# Altium PCB FPGA_Module.PcbDoc (part 1 of 5) (continued)
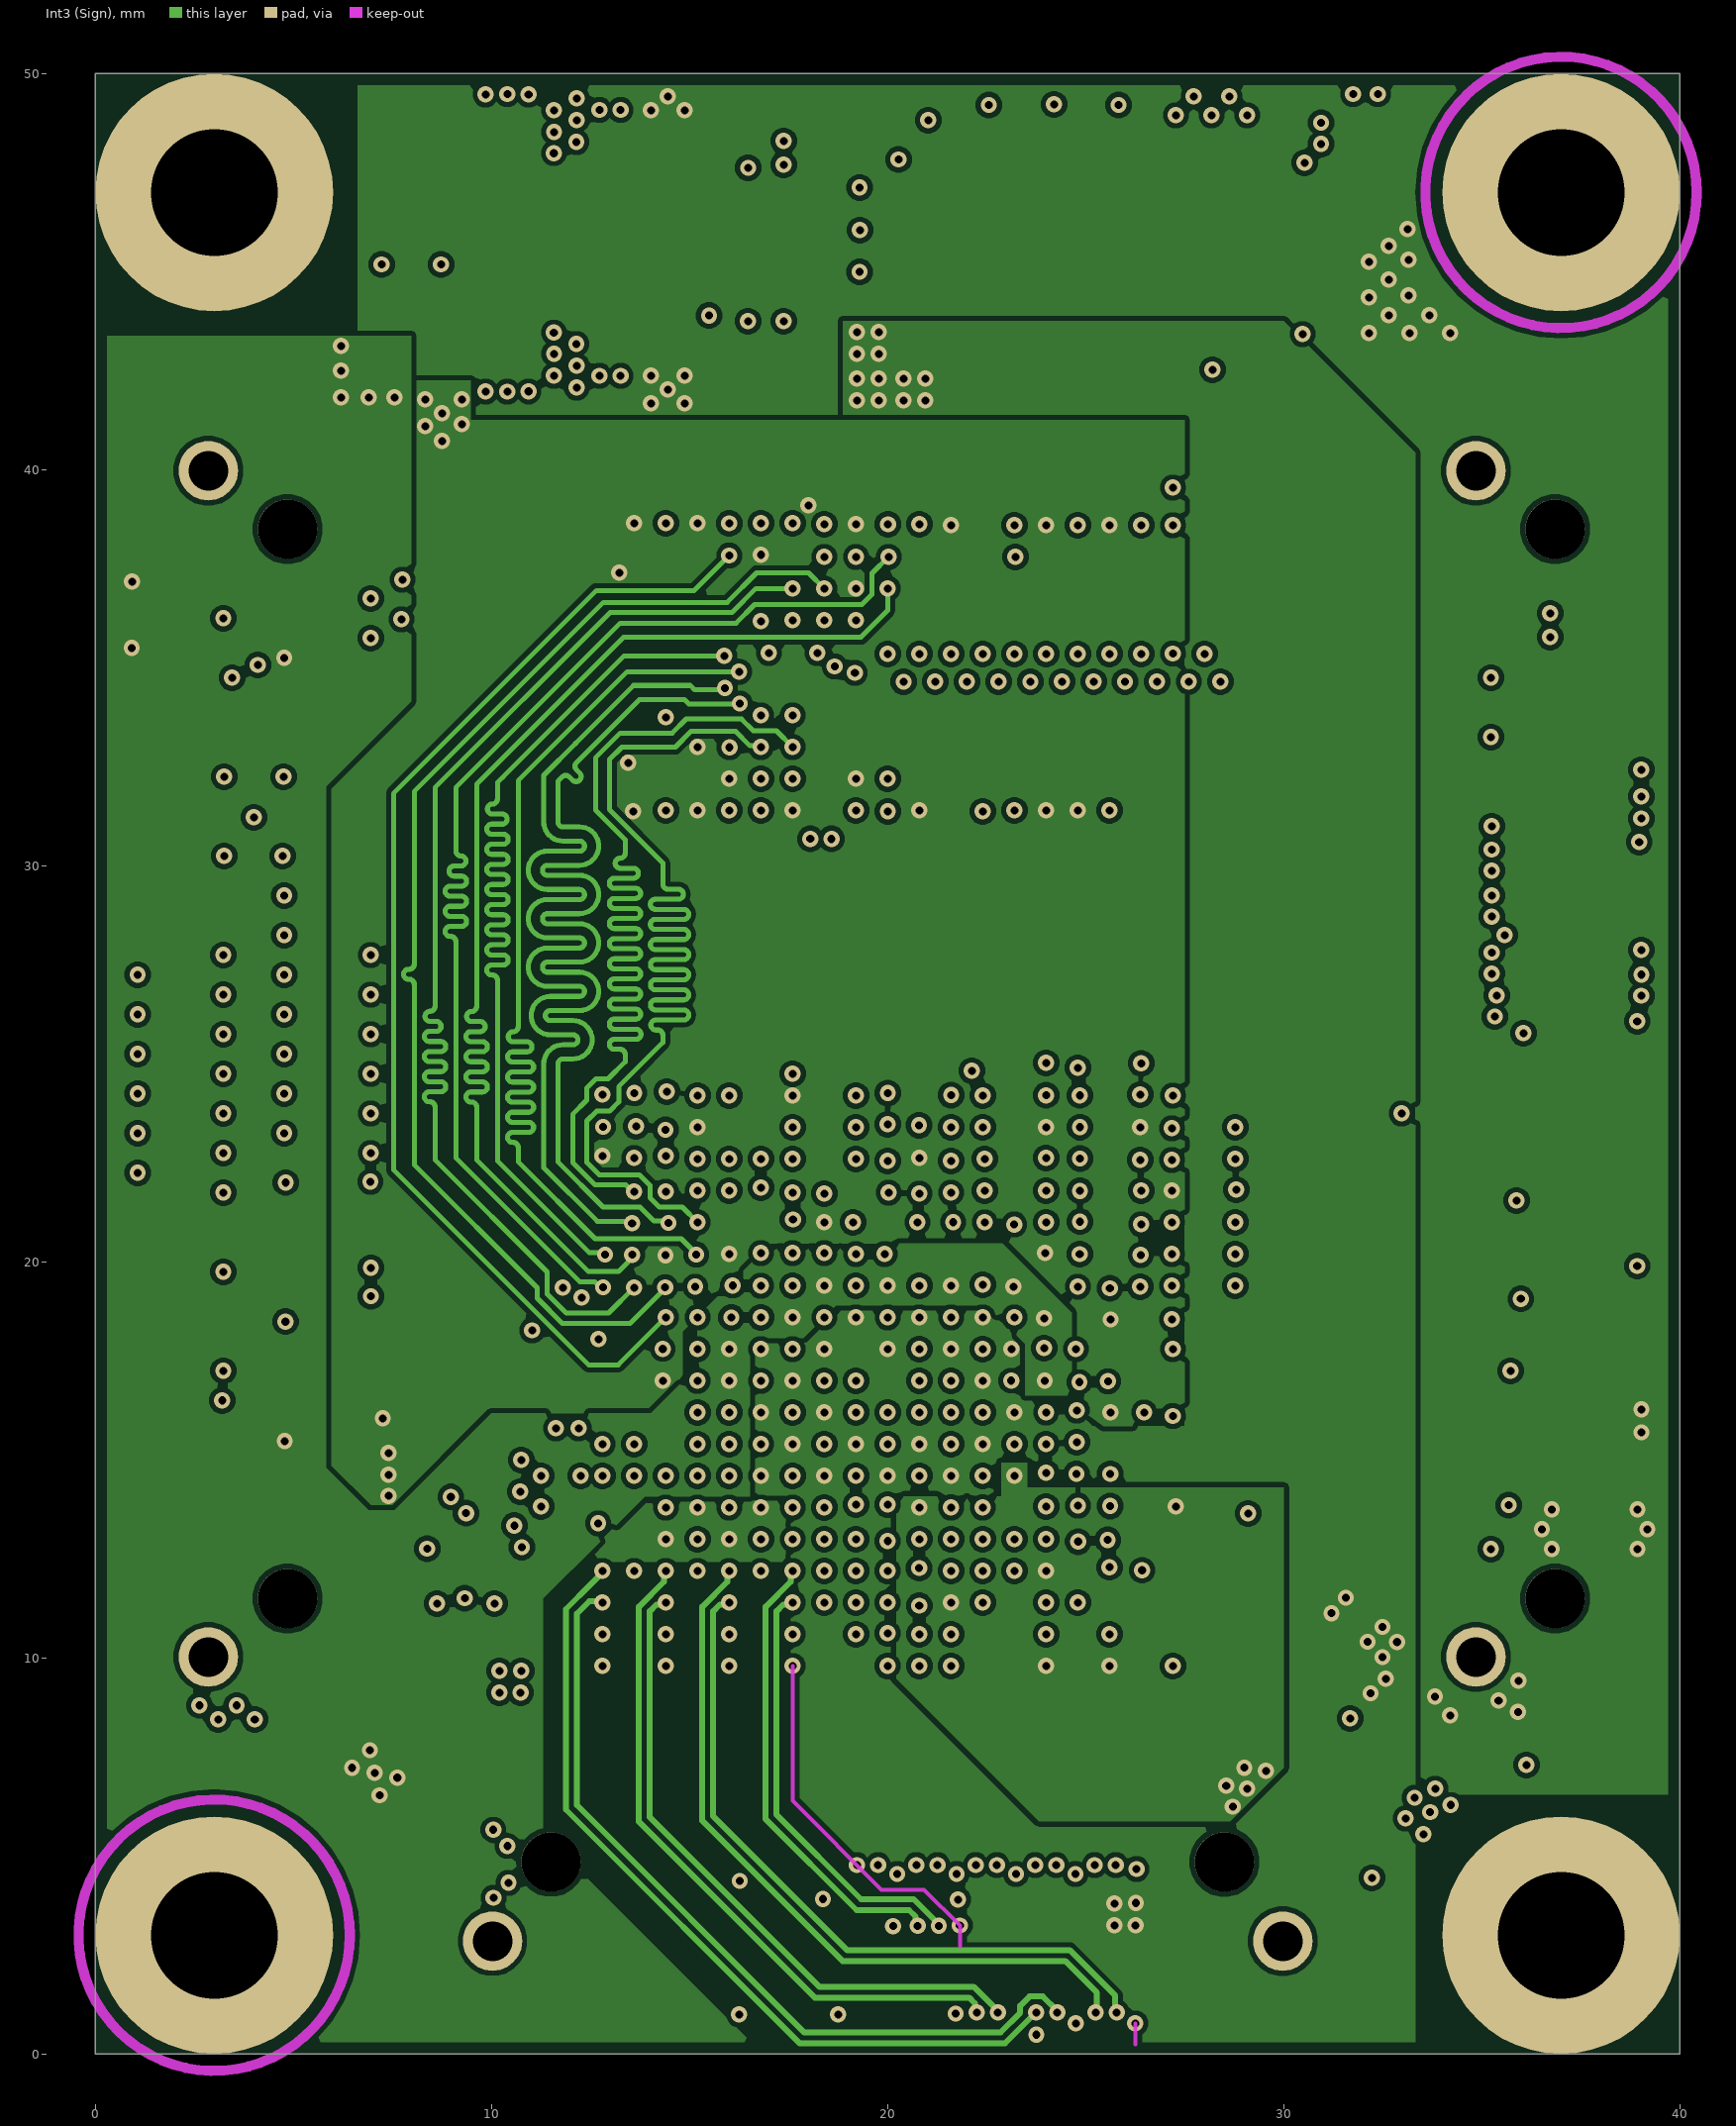
[diagram p4: Int3 (Sign)]
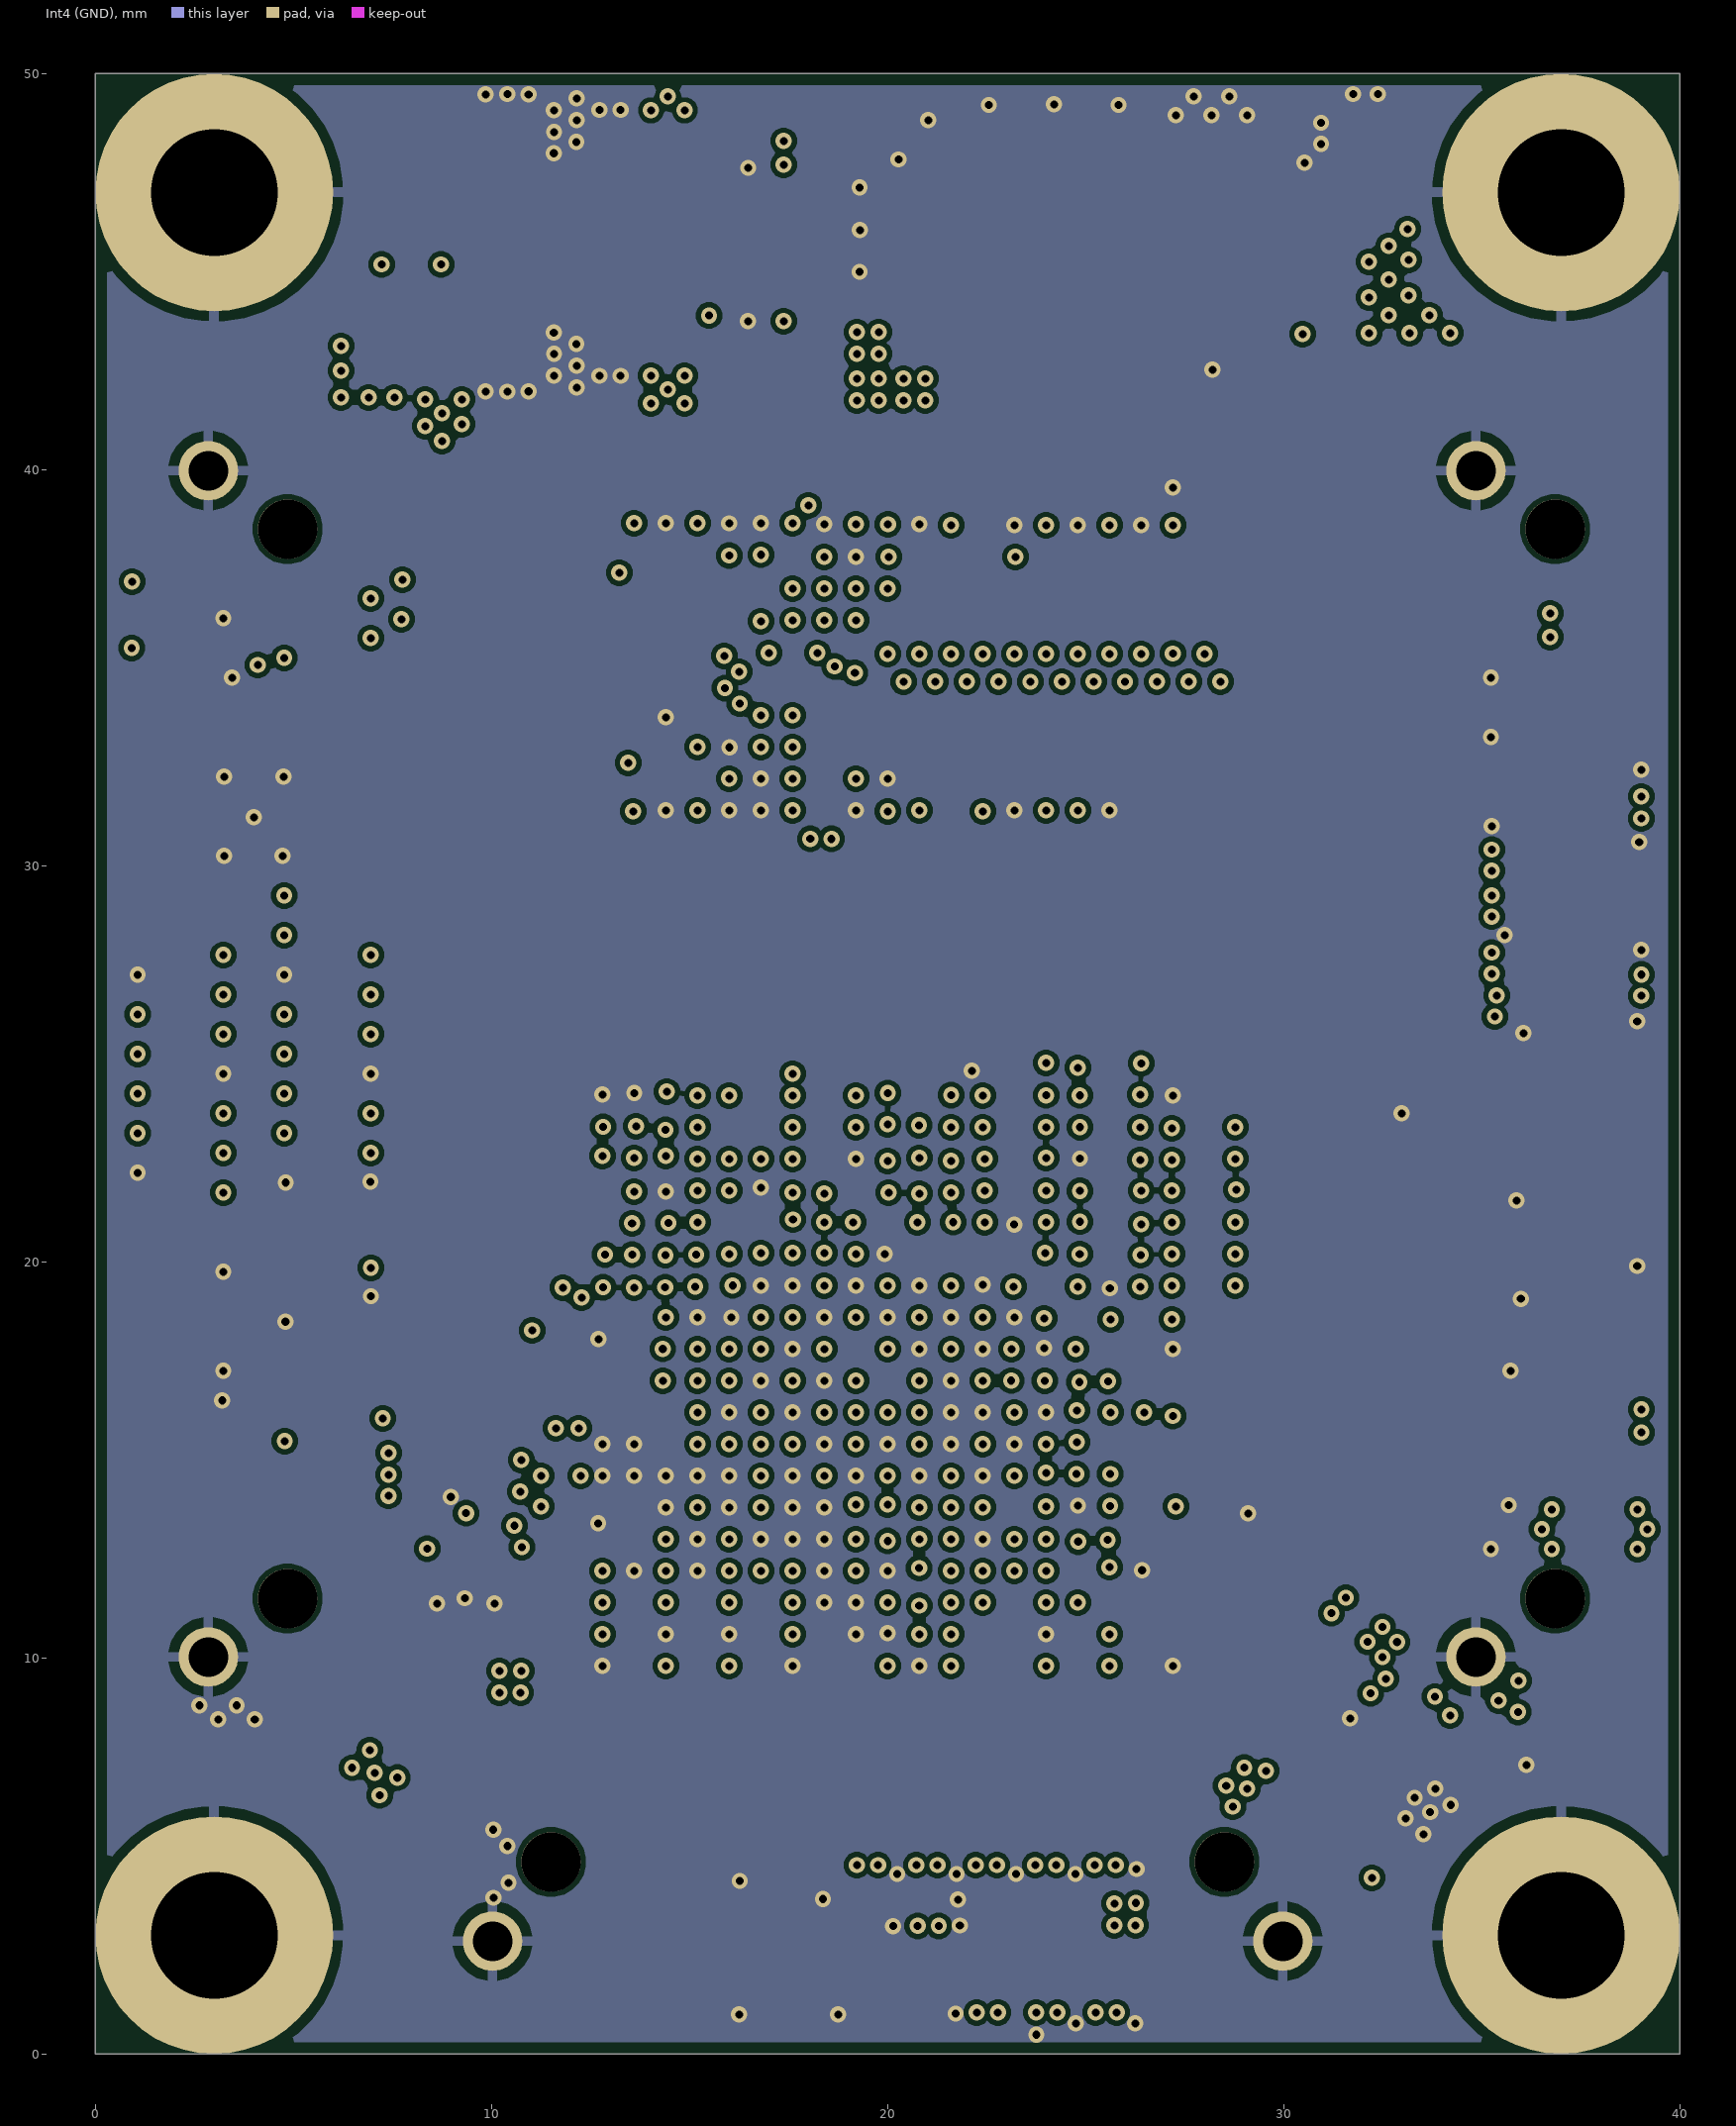
[diagram p5: Int4 (GND)]
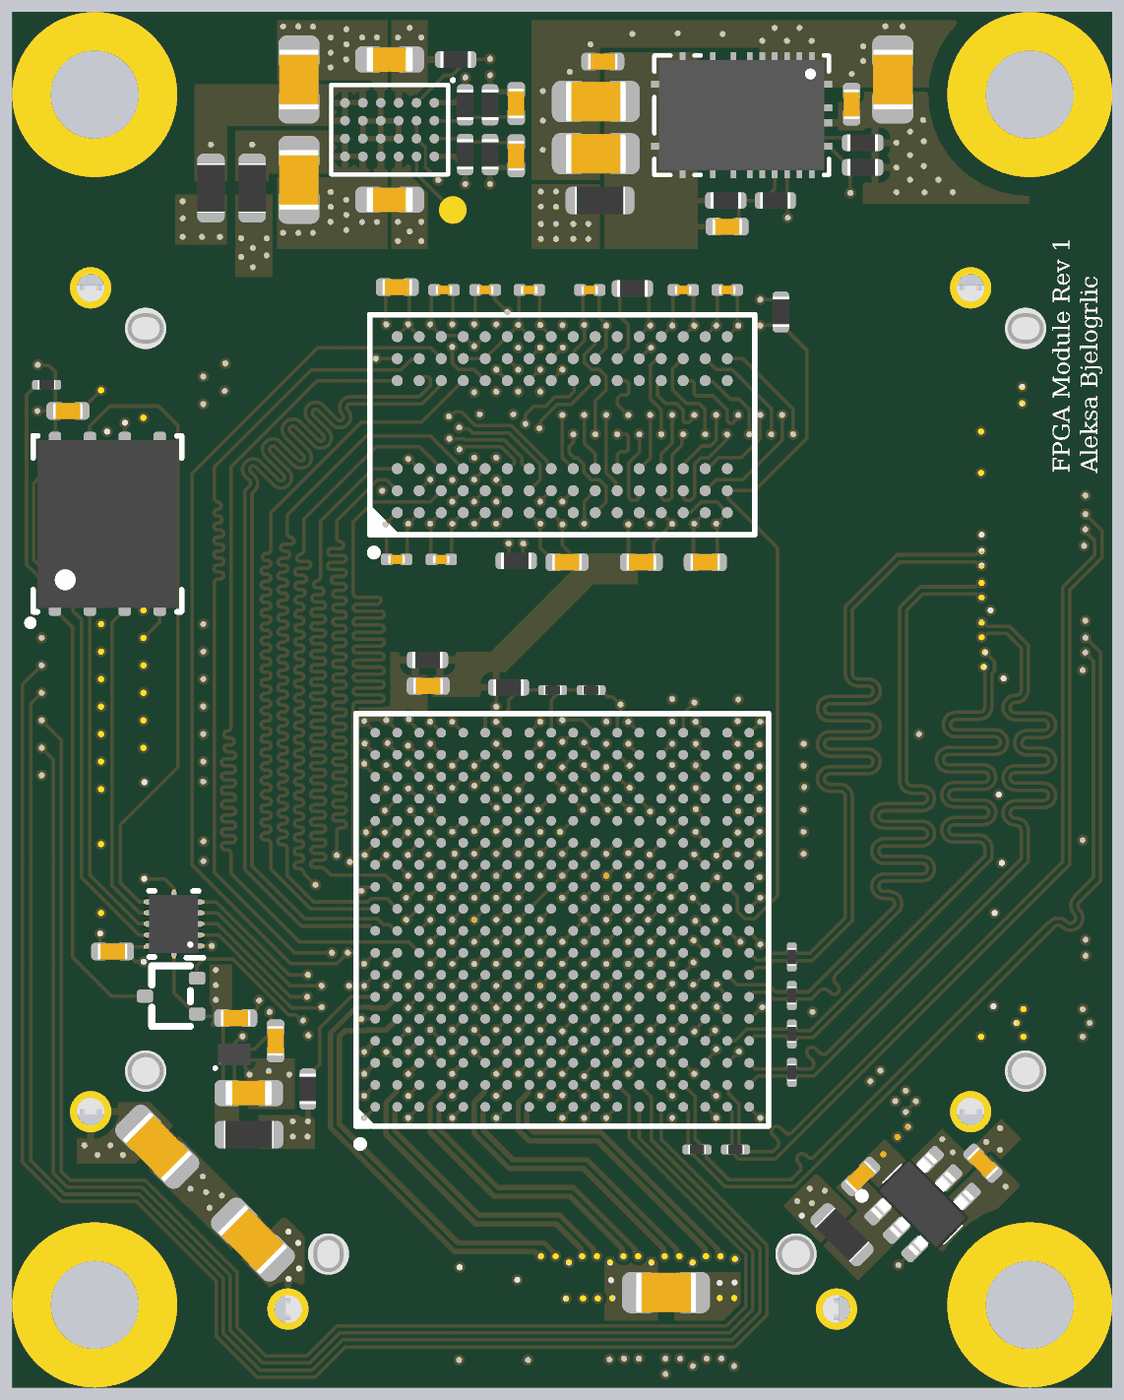
[diagram p10: 3D render of the assembled board from above, using the file's embedded part models]
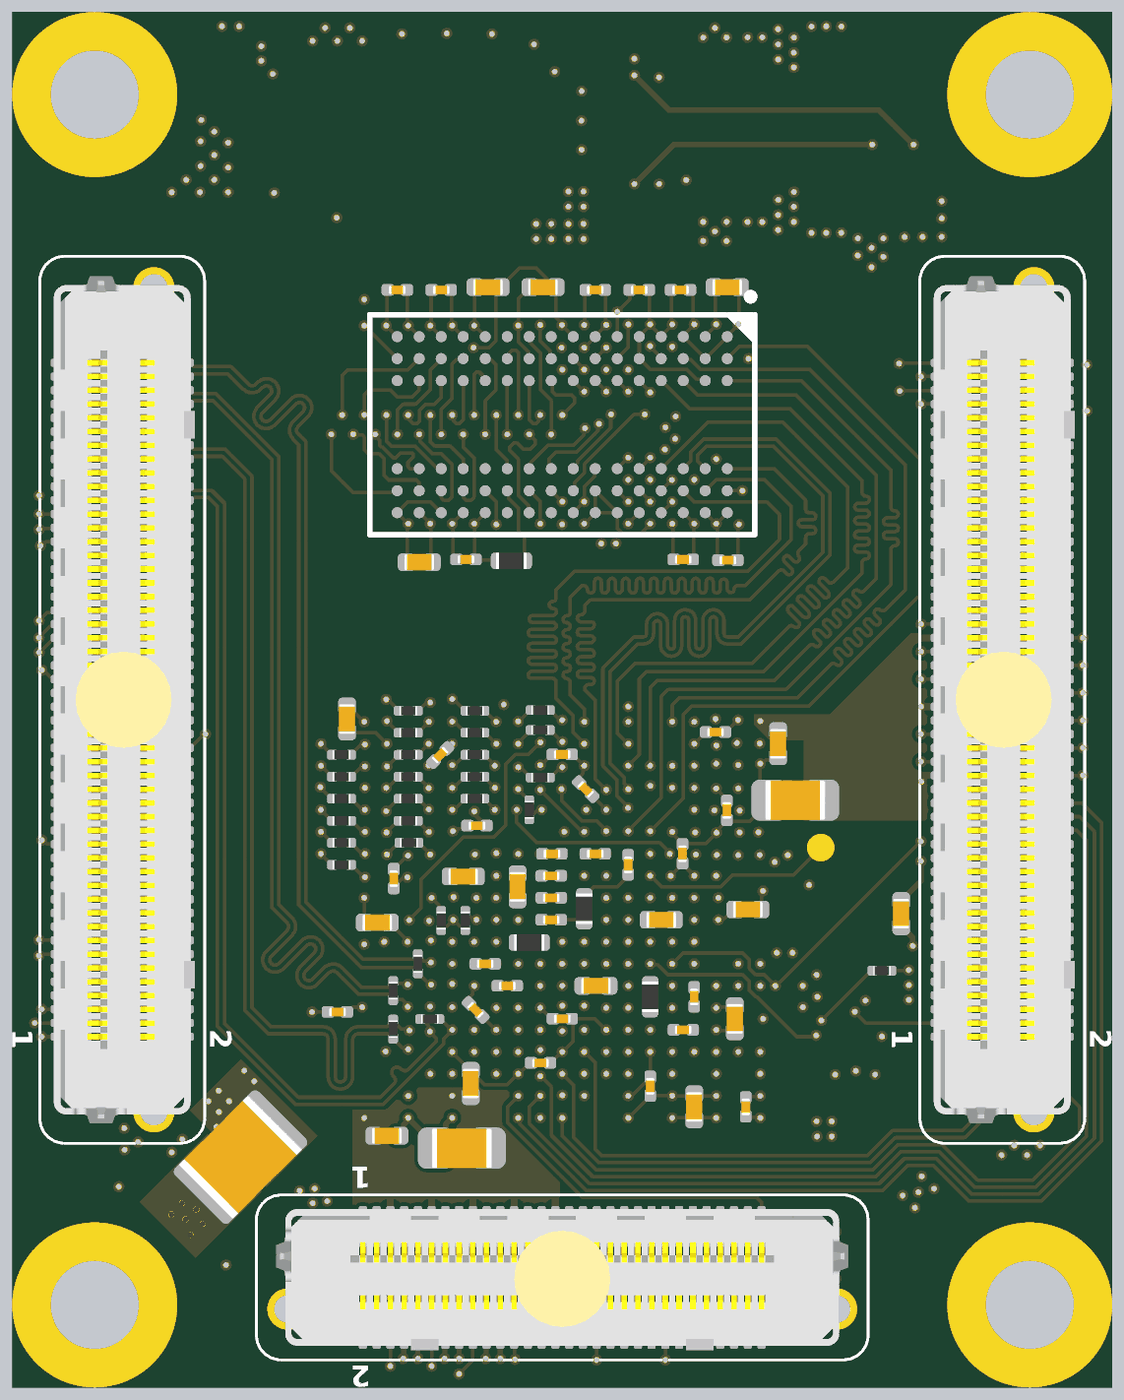
[diagram p11: 3D render of the assembled board from below, using the file's embedded part models]

## Layer stack, top to bottom
Top Solder: solder mask 0.0254, SM-001, Dk 4
Top Layer: signal copper 0.035
Dielectric 1: prepreg 0.1107, PP-006, Dk 3.23
Int1 (GND): signal copper 0.0175
Dielectric 3: core 0.1016, Core-035, Dk 3.66
Int2 (Sign): signal copper 0.0175
Dielectric 5: core 0.9256, PP-006, Dk 3.66
Int3 (Sign): signal copper 0.0175
Dielectric 6: core 0.1016, Core-035, Dk 3.66
Int4 (GND): signal copper 0.0175
Dielectric 8: prepreg 0.1107, PP-006, Dk 3.23
Bottom Layer: signal copper 0.035
Bottom Solder: solder mask 0.0254, SM-001, Dk 4

## Board outline
0,0 40,0 40,50 0,50

## Design rules (kind name [scope] priority, off if disabled: settings)
Clearance Clearance_0201 [HasFootprint('GEN_C_0201') or HasFootprint('GEN_R_0201')] p1: gap=0.1 ignorepadtopadclearanceinfootprint=FALSE
Clearance "Via to Pad_0201" [isVia vs isPad and (HasFootprint('GEN_C_0201') or HasFootprint('GEN_R_0201')or HasFootprint('GEN_R_0402')or HasFootprint('GEN_C_0402')or HasFootprint('MX_WSON8'))] p2: gap=0.1 ignorepadtopadclearanceinfootprint=FALSE except(0: SMDPad-Via SMDPad-Hole)
Clearance Clearance_U7 [InComponent('U7') vs InComponent('U7')] p3: gap=0.127 ignorepadtopadclearanceinfootprint=FALSE except(0.1: SMDPad-SMDPad)
Clearance Clearance_PG_1V0 [InNet('PG_1V0')] p4: gap=0.127 ignorepadtopadclearanceinfootprint=FALSE except(0.1: Arc-SMDPad Track-SMDPad)
Clearance "Via to Pad" [isVia vs IsPad or IsVia] p5: gap=0.127 ignorepadtopadclearanceinfootprint=FALSE
Clearance [All] p6: gap=0.127 ignorepadtopadclearanceinfootprint=FALSE
ComponentClearance [All] p1: gap=0.127 collisioncheckmode=3 verticalgap=0.254 showdistances=FALSE
DiffPairsRouting "DDR3 Diff" [InDifferentialPairClass('DQS0') OR InDifferentialPairClass('DQS1') OR InDifferentialPairClass('DQS2') OR InDifferentialPairClass('DQS3') OR InDifferentialPairClass('DDR3_CLK')] p1: maxlimit=0.23 minlimit=0.13 mostfreqgap=0.23 toplayer_maxgap=0.13 toplayer_prefgap=0.13 toplayer_minwidth=0.127 toplayer_maxwidth=0.127 toplayer_prefwidth=0.127 midlayer1_mingap=0.23 midlayer1_minwidth=0.127 midlayer1_maxwidth=0.127 midlayer1_prefwidth=0.127 midlayer2_mingap=0.23 midlayer2_minwidth=0.127 midlayer2_maxwidth=0.127 midlayer2_prefwidth=0.127 bottomlayer_maxgap=0.13 bottomlayer_prefgap=0.13 bottomlayer_minwidth=0.127 bottomlayer_maxwidth=0.127 bottomlayer_prefwidth=0.127 impedanceprofiledriven=TRUE impedanceprofileid={B4F66E8A-C9E1-4981-A60F-E06AC573C475} impedanceprofilevalue=100.000000 maxuncoupledlength=12.7
DiffPairsRouting PCIe [InDifferentialPairClass('PCIe')] p2: maxlimit=0.127 minlimit=0.127 mostfreqgap=0.127 toplayer_minwidth=0.191 toplayer_maxwidth=0.191 toplayer_prefwidth=0.191 midlayer1_minwidth=0.148 midlayer1_maxwidth=0.148 midlayer1_prefwidth=0.148 midlayer2_minwidth=0.148 midlayer2_maxwidth=0.148 midlayer2_prefwidth=0.148 bottomlayer_minwidth=0.191 bottomlayer_maxwidth=0.191 bottomlayer_prefwidth=0.191 impedanceprofiledriven=TRUE impedanceprofileid={6C64B6C6-15D8-4231-9645-6D0B78814DEC} impedanceprofilevalue=85.000000 maxuncoupledlength=12.7
DiffPairsRouting "ADC LVDS" [InDifferentialPairClass('ADC LVDS')] p3: maxlimit=0.23 minlimit=0.13 mostfreqgap=0.23 toplayer_maxgap=0.13 toplayer_prefgap=0.13 toplayer_minwidth=0.127 toplayer_maxwidth=0.127 toplayer_prefwidth=0.127 midlayer1_mingap=0.23 midlayer1_minwidth=0.127 midlayer1_maxwidth=0.127 midlayer1_prefwidth=0.127 midlayer2_mingap=0.23 midlayer2_minwidth=0.127 midlayer2_maxwidth=0.127 midlayer2_prefwidth=0.127 bottomlayer_maxgap=0.13 bottomlayer_prefgap=0.13 bottomlayer_minwidth=0.127 bottomlayer_maxwidth=0.127 bottomlayer_prefwidth=0.127 impedanceprofiledriven=TRUE impedanceprofileid={B4F66E8A-C9E1-4981-A60F-E06AC573C475} impedanceprofilevalue=100.000000 maxuncoupledlength=12.7
HoleSize [All] p1: absolutevalues=TRUE maxlimit=3.2 minlimit=0.025 maxpercent=80.000 minpercent=20.000
MatchedLengths MatchedLengths_DDR3_ADDR_CTRL [InNetClass('DDR3 ADDR')] p1 off: tolerance=25.4 checknetsindiffpair=FALSE checkdiffpairvsdiffpair=TRUE checkxsignals=TRUE checkothers=TRUE usedelayunits=TRUE delaytolerance=5.000000
MatchedLengths MatchedLengths_DDR3_DQ0 [InDifferentialPairClass('DQS0') or InNetClass('DQ0')] p2: tolerance=25.4 checknetsindiffpair=FALSE checkdiffpairvsdiffpair=TRUE checkxsignals=TRUE checkothers=TRUE usedelayunits=TRUE delaytolerance=5.000000
MatchedLengths MatchedLengths_DDR3_DQ1 [InDifferentialPairClass('DQS1') or InNetClass('DQ1')] p3: tolerance=25.4 checknetsindiffpair=FALSE checkdiffpairvsdiffpair=TRUE checkxsignals=TRUE checkothers=TRUE usedelayunits=TRUE delaytolerance=5.000000
MatchedLengths MatchedLengths_DDR3_DQ2 [InDifferentialPairClass('DQS2') or InNetClass('DQ2')] p4: tolerance=25.4 checknetsindiffpair=FALSE checkdiffpairvsdiffpair=TRUE checkxsignals=TRUE checkothers=TRUE usedelayunits=TRUE delaytolerance=5.000000
MatchedLengths MatchedLengths_DDR3_DQ3 [InDifferentialPairClass('DQS3') or InNetClass('DQ3')] p5: tolerance=25.4 checknetsindiffpair=FALSE checkdiffpairvsdiffpair=TRUE checkxsignals=TRUE checkothers=TRUE usedelayunits=TRUE delaytolerance=5.000000
MatchedLengths MatchedLengths_ADC_Groups [InDifferentialPairClass('ADC LVDS')] p6: tolerance=25.4 checknetsindiffpair=FALSE checkdiffpairvsdiffpair=TRUE checkxsignals=TRUE checkothers=TRUE usedelayunits=TRUE delaytolerance=5.000000
MatchedLengths MatchedLengths_ADC_Pairs [InDifferentialPairClass('ADC LVDS')] p7: tolerance=25.4 checknetsindiffpair=TRUE checkdiffpairvsdiffpair=FALSE checkxsignals=FALSE checkothers=FALSE usedelayunits=TRUE delaytolerance=2.000000
MatchedLengths MatchedLengths_DDR3_Pairs [InDifferentialPairClass('DDR3_CLK') or InDifferentialPairClass('DQS0') or InDifferentialPairClass('DQS1') or InDifferentialPairClass('DQS2') or InDifferentialPairClass('DQS3')] p8: tolerance=25.4 checknetsindiffpair=TRUE checkdiffpairvsdiffpair=FALSE checkxsignals=FALSE checkothers=FALSE usedelayunits=TRUE delaytolerance=2.000000
MinimumSolderMaskSliver [All] p1: minsoldermaskwidth=0.098
PlaneClearance [All] p1: clearance=0.127
PlaneConnect [All] p1: pad.planeconnectstyle=Relief pad.reliefexpansion=0.508 pad.reliefentries=4 pad.reliefconductorwidth=0.254 pad.reliefairgap=0.254 via.planeconnectstyle=Direct via.reliefexpansion=0.508 via.reliefentries=4 via.reliefconductorwidth=0.254 via.reliefairgap=0.254
PolygonConnect PolygonConnect_Direct [HasFootprint('GEN_R_0603') or HasFootprint('GEN_C_0603') or HasFootprint('GEN_C_0805') or HasFootprint('MPS_MPM3650') or HasFootprint('GEN_C_0402') or HasFootprint('VISH_TSOT6') or HasFootprint('GEN_C_1210')] p1: thpad.connectstyle=Relief thpad.reliefconductorwidth=0.254 thpad.reliefentries=4 thpad.polygonreliefangle="90 Angle" thpad.airgapwidth=0.254 smdpad.connectstyle=Direct smdpad.reliefconductorwidth=0.254 smdpad.reliefentries=4 smdpad.polygonreliefangle="90 Angle" smdpad.airgapwidth=0.254 via.connectstyle=Direct via.reliefconductorwidth=0.254 via.reliefentries=4 via.polygonreliefangle="90 Angle" via.airgapwidth=0.254
PolygonConnect PolygonConnect_1 [All] p2: thpad.connectstyle=Relief thpad.reliefconductorwidth=0.254 thpad.reliefentries=4 thpad.polygonreliefangle="90 Angle" thpad.airgapwidth=0.254 smdpad.connectstyle=Relief smdpad.reliefconductorwidth=0.254 smdpad.reliefentries=4 smdpad.polygonreliefangle="90 Angle" smdpad.airgapwidth=0.254 via.connectstyle=Direct via.reliefconductorwidth=0.254 via.reliefentries=4 via.polygonreliefangle="90 Angle" via.airgapwidth=0.254
RoutingVias [All] p1: holewidth=0.203 width=0.406 viastyle="Through Hole" minholewidth=0.203 minwidth=0.406 maxholewidth=0.203 maxwidth=0.406
SolderMaskExpansion [All] p1: expansion=0 istentingtop=FALSE
ViasUnderSMD [All] p1: allowed=FALSE
Width Width_PG_1V0 [InNet('PG_1V0')] p1: maxlimit=0.254 minlimit=0.1 preferedwidth=0.127 midlayer1_minwidth=0.127 midlayer2_minwidth=0.127 midlayer3_minwidth=0.254 midlayer4_minwidth=0.254 bottomlayer_minwidth=0.127 minimp=50.000000 maximp=50.000000 favimp=50.000000
Width 50Z [(InNetClass('DDR3 ADDR')) OR (InNetClass('DQ0')) OR (InNetClass('DQ1')) OR (InNetClass('DQ2')) OR (InNetClass('DQ3'))] p2: maxlimit=0.213 minlimit=0.127 preferedwidth=0.127 midlayer1_maxwidth=0.156 midlayer2_maxwidth=0.156 impedanceprofiledriven=TRUE impedanceprofileid={CE169E51-C4CD-48BA-8376-F91FDF30A816} impedanceprofilevalue=50.000000 minimp=50.000000 maximp=50.000000 favimp=50.000000
Width [All] p3: maxlimit=1 minlimit=0.127 preferedwidth=0.254
24 further rules are at their usual default settings.

## Classes and differential pairs
differential pair class DDR3_CLK: DDR3_CLK
differential pair class DQS3: DDR3_DQS3
differential pair class DQS2: DDR3_DQS2
differential pair class DQS1: DDR3_DQS1
differential pair class DQS0: DDR3_DQS0
net class DQ3: DDR3_D24 DDR3_D25 DDR3_D26 DDR3_D27 DDR3_D28 DDR3_D29 DDR3_D30 DDR3_D31 DDR3_DM3
net class DQ2: DDR3_D16 DDR3_D17 DDR3_D18 DDR3_D19 DDR3_D20 DDR3_D21 DDR3_D22 DDR3_D23 DDR3_DM2
net class DQ1: DDR3_D8 DDR3_D9 DDR3_D10 DDR3_D11 DDR3_D12 DDR3_D13 DDR3_D14 DDR3_D15 DDR3_DM1
net class DQ0: DDR3_D0 DDR3_D1 DDR3_D2 DDR3_D3 DDR3_D4 DDR3_D5 DDR3_D6 DDR3_D7 DDR3_DM0
net class "DDR3 ADDR": DDR3_A0_T DDR3_A1_T DDR3_A2_T DDR3_A3_T DDR3_A4_T DDR3_A5_T DDR3_A6_T DDR3_A7_T DDR3_A8_T DDR3_A9_T DDR3_A10_T DDR3_A11_T DDR3_A12_T DDR3_BA0_T DDR3_BA1_T DDR3_BA2_T DDR3_CAS_T DDR3_CKE_T DDR3_ODT_T DDR3_RAS_T DDR3_S0_T DDR3_WE_T
differential pair class "ADC LVDS": D1A D1B D2A D2B D3A D3B D4A D4B FCLK LCLK
differential pair class PCIe: MGT_CLK1 MGT_RX0 MGT_RX1 MGT_RX2 MGT_RX3 MGT_TX0 MGT_TX1 MGT_TX2 MGT_TX3
component class PWR: C71 C72 C73 C74 C75 C76 C77 C78 C79 C80 C81 C82 C83 C84 C85 C86 C87 R44 R45 R46 R47 R48 R49 R50 R51 R52 R53 R54 R55 R56 R57 TP2 U6 U7 U8 U9
component class FPGA_PWR: C29 C30 C31 C32 C33 C34 C35 C36 C37 C38 C39 C40 C41 C42 C43 C44 C45 C46 C47 C48 C49 C50 C51 C52 C53 C54 C55 C56 C57 C58 C59 C60 C61 C62 C63 C64 C65 C66 C67 C68 C69 C70 FB1 FB3
component class FPGA_MGT: R11
component class FPGA_CFG: C1 C2 C3 FB2 Q1 R12 R13 R14 R15 TP1 U2 U3
component class FPGA_Banks_DDR3: R58 R59 U1
component class FPGA_Bank_IO: R1 R2 R3 R4 R5 R6 R7 R8 R9 R10
component class DDR3L: C4 C5 C6 C7 C8 C9 C10 C11 C12 C13 C14 C15 C16 C17 C18 C19 C20 C21 C22 C23 C24 C25 C26 C27 C28 R16 R17 R18 R19 R20 R21 R22 R23 R24 R25 R26 R27 R28 R29 R30 R31 R32 R33 R34 R35 R36 R37 R38 R39 R40 R41 R42 R43 U4 U5
component class Connectors: JM1 JM2 JM3 MH1 MH2 MH3 MH4
differential pair DDR3_CLK: +DDR3_CLK_P -DDR3_CLK_N
differential pair DDR3_DQS3: +DDR3_DQS3_P -DDR3_DQS3_N
differential pair DDR3_DQS2: +DDR3_DQS2_P -DDR3_DQS2_N
differential pair DDR3_DQS1: +DDR3_DQS1_P -DDR3_DQS1_N
differential pair DDR3_DQS0: +DDR3_DQS0_P -DDR3_DQS0_N
differential pair LCLK: +LCLK_P -LCLK_N
differential pair FCLK: +FCLK_P -FCLK_N
differential pair D4B: +D4B_P -D4B_N
differential pair D4A: +D4A_P -D4A_N
differential pair D3B: +D3B_P -D3B_N
differential pair D3A: +D3A_P -D3A_N
differential pair D2B: +D2B_P -D2B_N
differential pair D2A: +D2A_P -D2A_N
differential pair D1B: +D1B_P -D1B_N
differential pair D1A: +D1A_P -D1A_N
differential pair MGT_TX3: +MGT_TX3_P -MGT_TX3_N
differential pair MGT_TX2: +MGT_TX2_P -MGT_TX2_N
differential pair MGT_TX1: +MGT_TX1_P -MGT_TX1_N
differential pair MGT_TX0: +MGT_TX0_P -MGT_TX0_N
differential pair MGT_RX3: +MGT_RX3_P -MGT_RX3_N
differential pair MGT_RX2: +MGT_RX2_P -MGT_RX2_N
differential pair MGT_RX1: +MGT_RX1_P -MGT_RX1_N
differential pair MGT_RX0: +MGT_RX0_P -MGT_RX0_N
differential pair MGT_CLK1: +MGT_CLK1_P -MGT_CLK1_N
